# Altium PCB mini3216时钟V2.0.PcbDoc
Units mil, origin at the board's own origin, x right, y up, seen from the top; angles counter-clockwise.
Board outline 5039.37 x 2519.68 mil, 2 copper layers (Top Layer, Bottom Layer); 42 components, 61 nets, 295 pads, 185 vias.
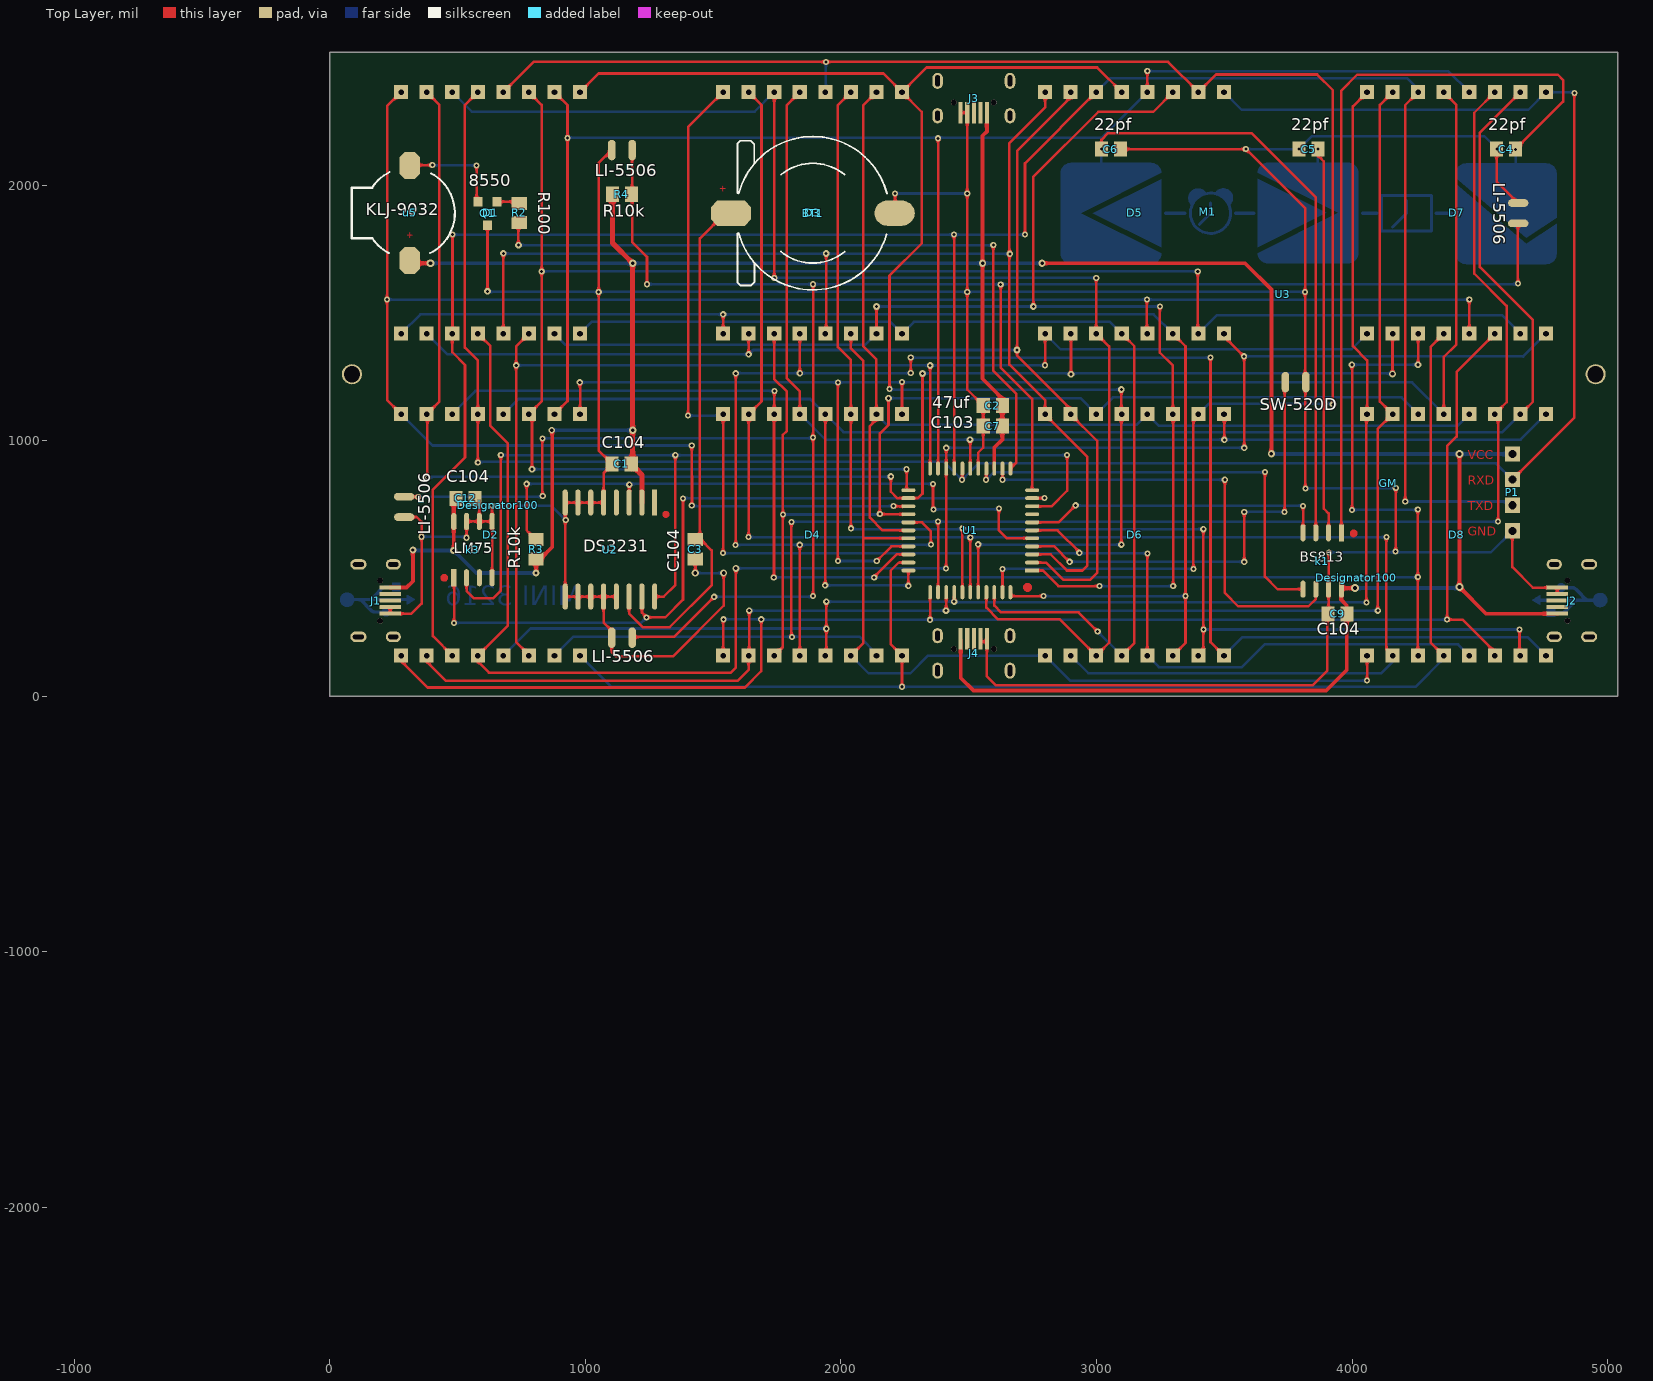
[diagram p0: Top Layer view]
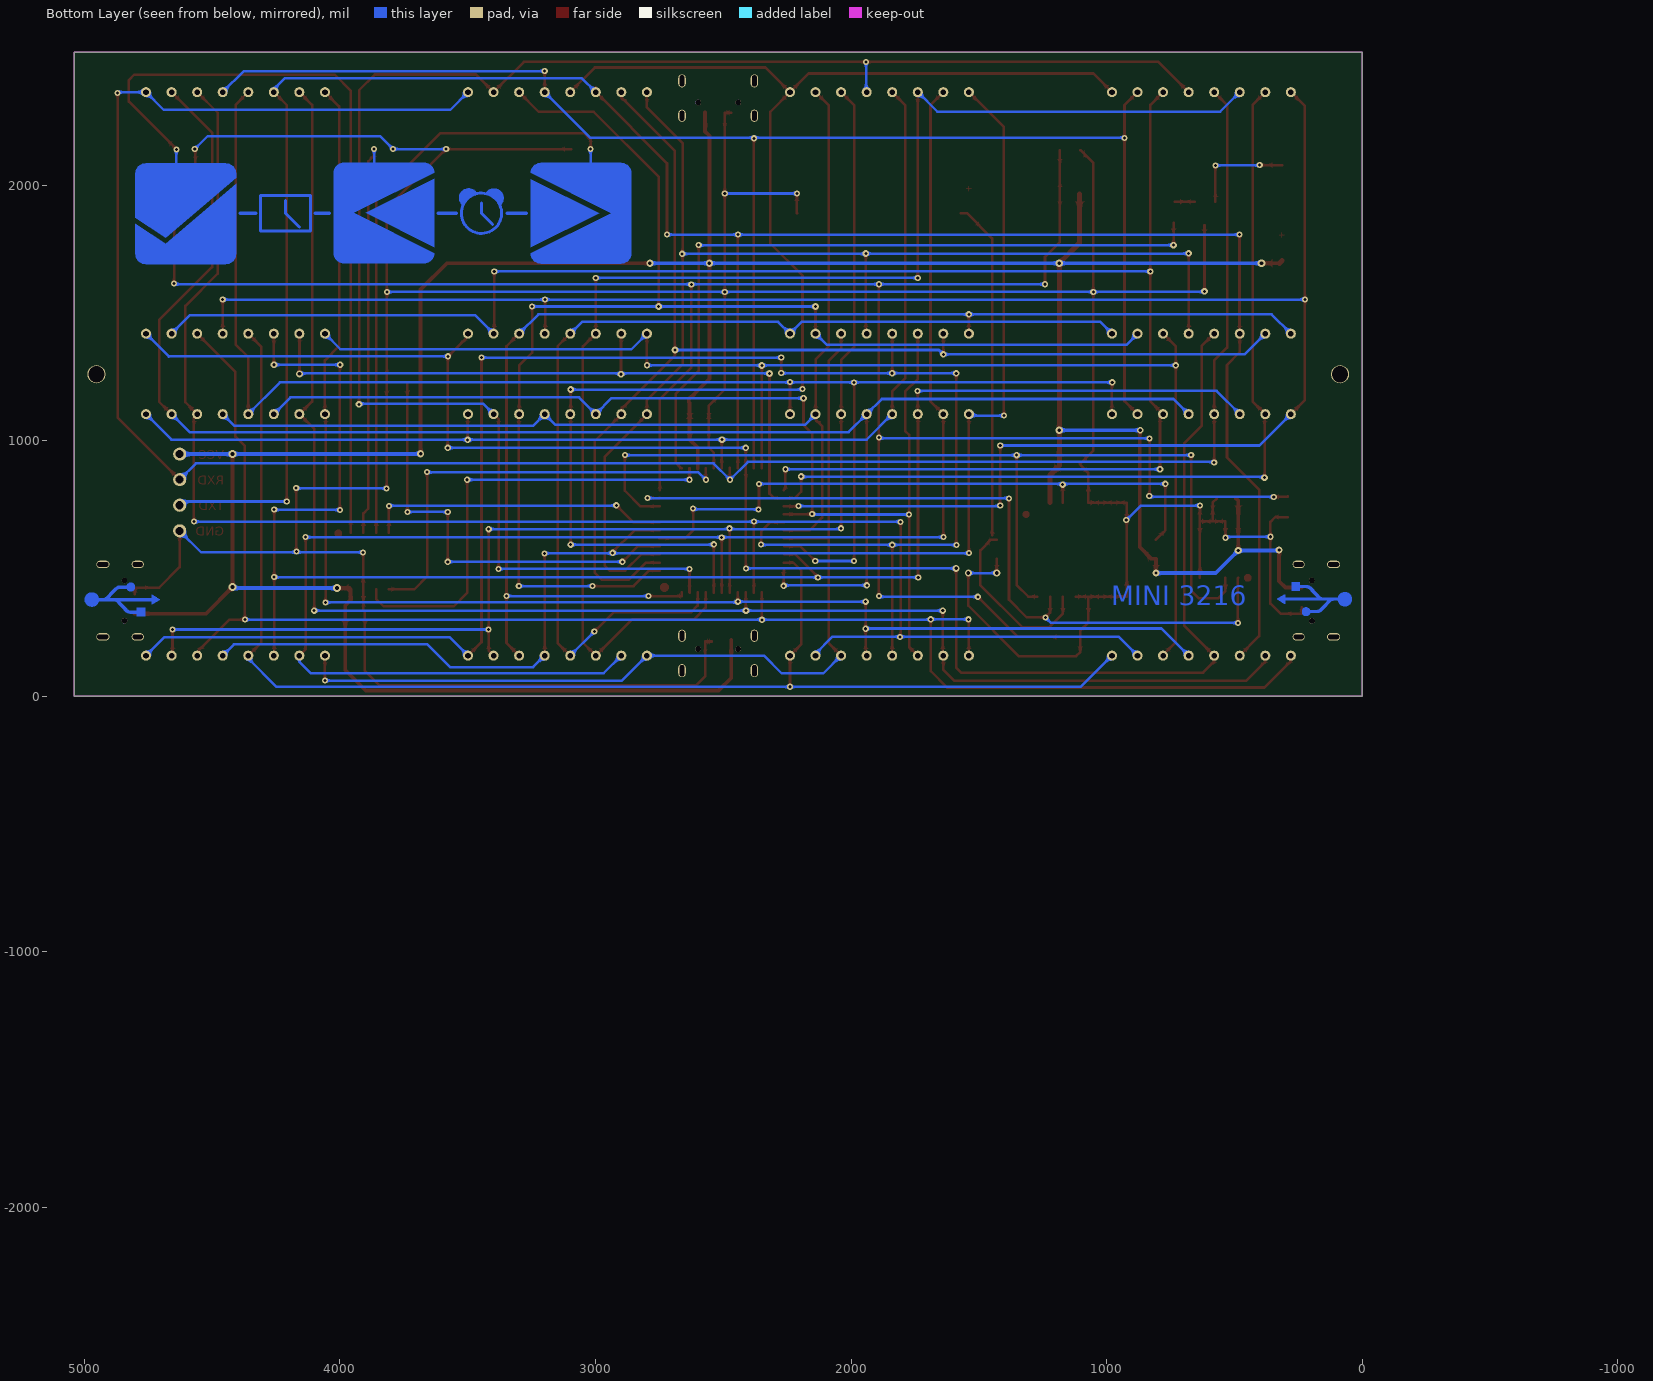
[diagram p1: Bottom Layer view, seen from below]

## Layer stack, top to bottom
Top Solder: solder mask 0.4, Solder Resist, Dk 3.5
Top Layer: signal copper 1.4
Dielectric 1: dielectric 12.6, FR-4, Dk 4.8
Bottom Layer: signal copper 1.4
Bottom Solder: solder mask 0.4, Solder Resist, Dk 3.5

## Board outline
0,0 0,2519.68 5039.37,2519.68 5039.37,0

## Design rules (kind name [scope] priority, off if disabled: settings)
Clearance Clearance_1 [InNamedPolygon('Poly1')or InNamedPolygon('Poly2')or InNamedPolygon('Poly3')or InNamedPolygon('Poly4')or InNamedPolygon('Poly5')or InNamedPolygon('Poly6')] p1: gap=30
Clearance [All] p2: gap=8
HoleToHoleClearance [All] p1: gap=8 allowstackedmicrovias=TRUE
MinimumSolderMaskSliver [All] p1: minsoldermaskwidth=8
PolygonConnect PolygonConnect_1 [InNet('GND') vs InNet('GND')] p1: connectstyle=Relief reliefconductorwidth=10 reliefentries=4 polygonreliefangle="90 Angle" airgapwidth=10
PolygonConnect [All] p2: connectstyle=Relief reliefconductorwidth=10 reliefentries=4 polygonreliefangle="90 Angle" airgapwidth=10
RoutingVias [All] p1: holewidth=12 width=26 viastyle="Through Hole" minholewidth=12 minwidth=24 maxholewidth=30 maxwidth=50
SilkToSilkClearance [All] p1: silktosilkclearance=0
SilkToSolderMaskClearance [IsPad] p1: minsilkscreentomaskgap=0 clearancetoexposedcopper=TRUE
SolderMaskExpansion [All] p1: expansion=4
Width Width_VCC [InNet('VCC')] p1: maxlimit=50 minlimit=10 preferedwidth=15
Width [All] p2: maxlimit=50 minlimit=1 preferedwidth=10
26 further rules are at their usual default settings.

## Classes and differential pairs
component class mini3216ʱ��V2.0: BT1 C1 C4 C5 C6 C7 C9 D1 D2 D3 D4 D5 D6 D7 D8 J1 J2 k1 LI-5506 P1 Q1 R2 U1 U2 U3 u5

## Components (designator, comment, footprint, x,y, rotation, side; value= is the part's Value field where it differs from the comment)
BT1 "Battery" CR1220 1890,1890 r270 top locked
C1 "Cap" C-RAD-0805 1142,909 r180 top
C2 "Cap" 0805-2 2594,1137 r180 top
C3 "Cap" C-RAD-0805 1430,575 r270 top (schematic designator C1)
C4 "Cap" C-RAD-0805 4602.52,2140.68 r0 top locked
C5 "Cap" C-RAD-0805 3829.52,2140.68 r0 top locked
C6 "Cap" C-RAD-0805 3056.52,2140.68 r180 top locked
C7 "Cap" C-RAD-0805 2594,1057 r180 top
C9 "Cap" C-RAD-0805 3943,322 r0 top
C12 "Cap" C-RAD-0805 531,774 r0 top (schematic designator C9)
D1 "点阵屏" "LED 8X8���� F3.0" 0,2519.68 r0 top locked
D2 "点阵屏" "LED 8X8���� F3.0" 0,1259.84 r0 top locked
D3 "点阵屏" "LED 8X8���� F3.0" 1259.84,2519.68 r0 top locked
D4 "点阵屏" "LED 8X8���� F3.0" 1259.84,1259.84 r0 top locked
D5 "点阵屏" "LED 8X8���� F3.0" 2519.68,2519.68 r0 top locked
D6 "点阵屏" "LED 8X8���� F3.0" 2519.68,1259.84 r0 top locked
D7 "点阵屏" "LED 8X8���� F3.0" 3779.53,2519.68 r0 top locked
D8 "点阵屏" "LED 8X8���� F3.0" 3779.53,1259.84 r0 top locked
Designator100 "Comment" 0603-2 658,747.68 r90 top
Designator100 "Comment" 0603-2 4016,463.68 r270 top
GM "" �������#1 4141,833.32 r180 top
J1 "USB_M" USB_MICRO 236.22,374.02 r270 top locked
J2 "USB_M" USB_MICRO 4803.15,374.02 r90 top locked
J3 "USB_M" USB_MICRO 2519.68,2283.46 r180 top locked (schematic designator J1)
J4 "USB_M" USB_MICRO 2519.68,224.41 r0 top (schematic designator J1)
k1 "BS814A-2触摸按键" SOP8 3883,529 r270 top
k3 "BS814A-2触摸按键" SOP8 560,573.68 r90 top (schematic designator k1)
LI-5506 "Res1" �������#2 4650,1890 r270 top (schematic designator GM)
LI-5506 "Res1" �������#2 1143,2137 r0 top locked (schematic designator GM)
LI-5506 "Res1" �������#2 291,741 r90 top (schematic designator GM)
LI-5506 "Res1" �������#2 1143,229 r180 top (schematic designator GM)
M1 "Motor" MOT 3436,1894.68 r45 top
P1 "Header 5" HDR1X5 4626.85,947.28 r270 top
Q1 "SS8550" SOT-23 617,1889 r180 top
R2 "Res1" 0805-1 741,1891 r90 top
R3 "Res1" 0805-1 807,575 r90 top (schematic designator R2)
R4 "Res1" 0805-1 1143,1964 r0 top (schematic designator R2)
SW-520D "Res1" �������#2 3779,1229 r0 top (schematic designator GM)
U1 "STC15F2K60S2_QFP44" LQFP-44 2506,649 r90 top locked
U2 "DS3231" DS3231SN 1096,573.68 r270 top locked
U3 "MOTOR" MOTOR 3728,1572.68 r45 top
u5 "Beef" BEEF 313,1891 r0 top locked

## Footprints (in the part's own frame and the unit in brackets; to place one, negate y for a bottom-side part, rotate by r counter-clockwise, add the part's x,y. Pads: shape width x height; smd on the part's side, far side on the other; paste and mask are expansions set on the pad)
0603-2 [mil] "��Ƭ��˿ӡ"
0805-1 [mm] "��Ƭ��˿ӡ"
  rect 1.3x1.5 smd: 1(-0.95,0) 2(0.95,0)
  body extent -1,-0.6 1,0.6, height 0.95
0805-2 [mm] "��Ƭ��˿ӡ"
  rect 1.3x1.5 smd: 1(-0.95,0) 2(0.95,0)
  body extent -1,-0.6 1,0.6, height 0.95
BEEF [mil] "��Ƭ������"
  oct 80x106.3 smd: 1(0,-186.18) 2(0,186.18)
  silkscreen extent -228,-157 176,159, body extent -240,-210 177,210, height 118
C-RAD-0805 [mm] "��Ƭ����"
  rect 1.3x1.5 smd: 1(-0.95,0) 2(0.95,0)
  body extent -1,-0.6 1,0.6, height 0.95
CR1220 [mm] "CR1220"
  oct 2.5x4 smd: 1(0,-8.128)
  oval 2.5x4 smd: 2(0,8.128)
  silkscreen extent -7.62,-7.5 7.62,7.36, body extent -7.47,-9.45 7.53,9.05, height 4.44
DS3231SN [mm] "SOP, 16-Leads, Body 10.5x7.6mm (max), Pitch 1.27mm, IPC Medium Density"
  rect 2.6x0.508 smd: 1(-4.675,4.445)
  oval 2.6x0.508 smd: 2(-4.675,3.175) 3(-4.675,1.905) 4(-4.675,0.635) 5(-4.675,-0.635) 6(-4.675,-1.905) 7(-4.675,-3.175) 8(-4.675,-4.445) 9(4.675,-4.445) 10(4.675,-3.175) 11(4.675,-1.905) 12(4.675,-0.635) 13(4.675,0.635) 14(4.675,1.905) 15(4.675,3.175) 16(4.675,4.445)
  body extent -5.33,-5.15 5.31,5.15, height 1.95
HDR1X5 [mm] "Connector; Header; 5 Position"
  rect 1.5x1.5 / inner rect 1.5x1.5 / far side round 1.3 hole 0.8: 1(0,0)
  rect 1.5x1.5 / inner round 1.5 / far side round 1.3 hole 0.8: 2(2.54,0) 3(5.08,0) 4(7.62,0)
"LED 8X8���� F3.0" [mm] "LED 8x8���� F3.0"
  rect 1.4x1.4 / inner rect 2x2 / far side round 1 hole 0.56: 1(7.087,-27.965) 2(9.627,-27.965) 3(12.167,-27.965) 4(14.707,-27.965) 5(17.247,-27.965) 6(19.787,-27.965) 7(22.327,-27.965) 8(24.867,-27.965) 9(24.867,-3.965) 10(22.327,-3.965) 11(19.787,-3.965) 12(17.247,-3.965) 13(14.707,-3.965) 14(12.167,-3.965) 15(9.627,-3.965) 16(7.087,-3.965)
LQFP-44 [mm]
  rect 0.38x1.4 smd: 1(-3.988,-6.15)
  oval 0.38x1.4 smd: 2(-3.2,-6.15) 3(-2.388,-6.15) 4(-1.6,-6.15) 5(-0.787,-6.15) 6(0,-6.15) 7(0.787,-6.15) 8(1.6,-6.15) 9(2.388,-6.15) 10(3.2,-6.15) 11(3.988,-6.15) 23(3.988,6.15) 24(3.2,6.15) 25(2.388,6.15) 26(1.6,6.15) 27(0.787,6.15) 28(0,6.15) 29(-0.787,6.15) 30(-1.6,6.15) 31(-2.388,6.15) 32(-3.2,6.15) 33(-3.988,6.15)
  oval 1.4x0.38 smd: 12(6.15,-3.988) 13(6.15,-3.2) 14(6.15,-2.388) 15(6.15,-1.6) 16(6.15,-0.787) 17(6.15,0) 18(6.15,0.787) 19(6.15,1.6) 20(6.15,2.388) 21(6.15,3.2) 22(6.15,3.988) 34(-6.15,3.988) 35(-6.15,3.2) 36(-6.15,2.388) 37(-6.15,1.6) 38(-6.15,0.787) 39(-6.15,0) 40(-6.15,-0.787) 41(-6.15,-1.6) 42(-6.15,-2.388) 43(-6.15,-3.2) 44(-6.15,-3.988)
  body extent -6,-6 6,6, height 1.5
MOT [mil]
MOTOR [mil]
SOP8 [mm] "SOP, 8-Leads, Body 4.90x3.90mm, Pitch 1.27mm, IPC Medium Density"
  rect 1.7x0.508 smd: 1(-2.8,1.905)
  oval 1.7x0.508 smd: 2(-2.8,0.635) 3(-2.8,-0.635) 4(-2.8,-1.905) 5(2.8,-1.905) 6(2.8,-0.635) 7(2.8,0.635) 8(2.8,1.905)
  body extent -3.02,-2.51 3.02,2.51, height 1.6
SOT-23 [mm]
  rect 0.9x0.95 smd: 1(-0.95,-1.175) 2(0.95,-1.175) 3(0,1.175)
  body extent -1.5,-1.32 1.5,1.32, height 1.08
USB_MICRO [mm] "USB����"
  oval 1.05x1.5 / inner oval 1x1.4 / far side oval 0.75x1.2 hole 0.45 slot 1 at 90 deg: 0(-3.6,0.31) 0(3.6,0.31)
  oval 1.05x1.6 / inner oval 1x1.5 / far side oval 0.75x1.3 hole 0.45 slot 1.1 at 90 deg: 0(-3.6,-3.16) 0(3.6,-3.16)
  round 0.56 hole 0.56: 0(-2,-1.01)
  round 0.55 hole 0.56: 0(2,-1.01)
  rect 0.4x2.15 smd: 1(-1.3,0) 2(-0.65,0) 3(0,0) 4(0.65,0) 5(1.3,0)
  body extent -3.99,-5.32 3.99,0.11, height 2.69
�������#1 [mil]
�������#2 [mil]
  oval 30x80 smd: 1(-40,0) 2(40,0)

## Part data
BT1: "���ݵ��"
C1 C2 C3 C4 C5 C6 C7 C9 C12: "�޼��Ե���"
D1 D2 D3 D4 D5 D6 D7 D8: library part LED_������8x8
GM: library part Res1, "��Ƭ����"
J1 J2 J3 J4: "MicroUSB�ӿ�"
k1 k3: library part BS814A-2��������
LI-5506 LI-5506 LI-5506 LI-5506 R2 R3 R4 SW-520D: "��Ƭ����"
M1: "Motor, General Kind"
P1: "Header, 5-Pin"
Q1: "PNP��Ƭ������"
U3: "�ֻ��𶯵��"

## Free pads (board coordinates)
  round 78.74 / inner round 70.87 / far side round 70.87 hole 62.99: 1(86.61,1259.84) 1(4952.76,1259.84)

## Via types
v1: diameter 24, hole 12, Top Layer to Bottom Layer, tented both sides, 120 vias
v2: diameter 26, hole 12, Top Layer to Bottom Layer, tented both sides, 47 vias
v3: diameter 28, hole 14, Top Layer to Bottom Layer, tented both sides, 7 vias
v4: diameter 30, hole 14, Top Layer to Bottom Layer, tented both sides, 3 vias
v5: diameter 32, hole 16, Top Layer to Bottom Layer, tented both sides, 3 vias
v6: diameter 28, hole 13, Top Layer to Bottom Layer, tented both sides, 3 vias
v7: diameter 24.02, hole 12, Top Layer to Bottom Layer, tented both sides, 1 vias
v8: diameter 26, hole 13, Top Layer to Bottom Layer, tented both sides, 1 vias

## Nets (pads, with @x,y where several pads share a name; then routed paths per layer and width w, separated by ;. In a path a pad name is that pad's centre, name@x,y a point inside that pad or via, vN(x,y) a via of type N, cw(c..) or ccw(c..) an arc to the next point about the centre after c; other vN are vias at no path point)
ADC: LI-5506.1@1183,229 LI-5506.2@291,781 LI-5506.2@1183,2137 LI-5506.2@4650,1850 R4.2 U1.11 | length 8872.8
  Top Layer w10: LI-5506.2@291,781 292,782 294,780 v1(346,780) ; v1(832,1009) 832,784.63 831.68,784.32 v1(833,783) ; LI-5506.2@1183,2137 1183,1777 1241,1719 v1(1241,1612) ; LI-5506.1@1185,232 1347,232 v1(1504,389) ; v1(1890,1012) 1890,1005 1891,1004 v1(1891,392) ; v1@1891,1012 v1(1891,1612) ; v1(2625,1611) 2625,1286 2748.13,1162.87 U1.11 ; v1(4649,1615) 4649,1849 LI-5506.2@4650,1850
  Bottom Layer w10: v1(346,780) 830,780 v1(833,783) ; v1(832,1009) 1887,1009 v1(1890,1012) ; v1(1241,1612) 4646,1612 v1(4649,1615) ; v1(1504,389) 1888,389 v1(1891,392)
BEEF: R2.1 U1.12 | length 2865.7
  Top Layer w10: v2(738,1765) R2.1@738,1852 ; v1(2596,1765) 2596,1273 2685,1184 2685,913.13 U1.12
  Bottom Layer w10: v2(738,1765) 2199.64,1765 2200.64,1764 2595,1764 v1(2596,1765)
CLOCK: 
DATA: 
GND: BT1.2 C1.2 C2.2 C3.2 C4.1 C5.1 C6.1 C7.2 C9.1 C12.2 J1.4 J1.5 J2.4 J2.5 J3.4 J3.5 J4.4 J4.5 k1.7 k3.4 k3.5 k3.6 k3.7 LI-5506.1@291,701 LI-5506.1@1103,2137 LI-5506.1@4650,1930 LI-5506.2@1103,229 P1.4 Q1.3 SW-520D.2 U1.16 U2.5 U2.6 U2.7 U2.8 U2.9 U2.10 U2.11 U2.12 U2.13 | length 16985.3
  Top Layer w10: J1.4 J1.5 319,322.83 359,362.83 v1(359,624) 359,682.04 340.04,701 LI-5506.1@291,701 ; v1(535,620) k3.7 k3.6 ; C12.2 585,757.4 k3.6 ; v2(617,1584) Q1.3 ; k3.4 k3.5 ; v1(635,746) k3.5 ; C1.2@1102,904 1071,873 U2.5 U2.8 U2.9 U2.12 ; LI-5506.1@1103,2137 1052,2086 1052,961.6 C1.2 ; U2.13 U2.12 ; v3(1430,482) C3.2 ; v3(1541,482) 1541,354 1344,157 1119,157 1103,173 1103,229 1103,257 1071,289 U2.12 ; BT1.2 2211,1889 2212,1890 v1(2212,1967) ; J3.5 J3.4 2494.09,1199.5 C2.2 C7.2 2556.6,972.28 2537,952.68 U1.16 ; J4.4@2545.28,214 2570.87,214 2570.87,77.63 2606,42.5 3845.5,42.5 3902,99 3902,329.4 3908,335.4 k1.7 3909,419.76 v1(3909,563) ; C6.1 v1(3584,2140.68) 3817,1907.68 3816,1906.68 v1(3816,1581) 3816,1232 SW-520D.2 3817,1227 v1(3817,813) ; v1@4171,566 v1(4171,815) ; C4.1 4565.12,2014.88 LI-5506.1@4650,1930 ; P1.4@4628,646.13 P1.4 4626.85,505.15 4706.8,425.2 J2.5 J2.4 ; k3.6 k3.5
  Bottom Layer w10: v1(359,624) 531,624 v1(535,620) ; v2@617,1582 v1(1052,1582) 2503,1582 v1@3816,1582 ; v1(635,746) 866,746 v1(923,689) ; v3(1430,482) v3(1541,482) ; v1(2212,1967) v1(2494.09,1967) ; v1(3584,2140.68) v1(3792.12,2140.68) 3843.12,2191.68 4517,2191.68 v1(4568,2140.68) ; v1(3817,813) 4169,813 v1(4171,815) ; v1(3909,563) 4542.57,563 P1.4
  other v1: 4170,566 2494.09,1581
H1: D1.9 D3.9 D5.13 D6.13 U1.40 | length 5776.9
  Top Layer w10: D1.9 1052.12,2436.68 2165.72,2436.68 D3.9 ; v1(2190,1202) 2190,1646 2316,1772 2316,2286.41 D3.9 ; U1.40 v2(2537,594) ; U1.40@2537.4,405.51 U1.40@2537.4,406.87 ; v2(3097,593) 3097,1099.41 3096,1100.41 3099,1103.41 3097,1105.41 v2(3097,1200) ; D5.13 3002.25,2460 2335.28,2460 D3.9
  Bottom Layer w10: v1@2190,1200 2501,1200 ; 2503,1200 v2(3097,1200) ; v2(2537,594) 2538,593 v2(3097,593) v2@3104.68,593
H2: D1.14 D3.14 D5.3 D6.3 U1.41 | length 5409.4
  Top Layer w10: D3.14 1739,2363.41 v1(1739,1637) ; U1.41 2569,347.2 2568.9,347.1 2615,301 2856.53,301 D6.3 3049,209.16 3049,1368.37 D5.3 v1@2998.68,1637
  Bottom Layer w10: D1.14@479,2375.68 D1.14 555.57,2287 1662.28,2287 D3.14 ; v1(1739,1637) v1(2999,1637)
H3: D1.8 D3.8 D5.4 D6.4 U1.42 | length 4140.2
  Top Layer w10: U1.42 2600,355 2627,328 2929.53,328 v1(3004.53,253) ; D6.4@3098.68,169.32 D6.4 3148,208.16 3148,1369.37 D5.4
  Bottom Layer w10: D1.8 1026.32,1466 2191.53,1466 D3.8 2285.16,1465 3052.37,1465 D5.4 ; v1(3004.53,253) D6.4
H4: D1.12 D3.12 D5.10 D6.10 U1.43 | length 6746.3
  Top Layer w10: D1.12 797.43,2482 v1(1941,2482) 3280.25,2482 D5.10 3467.8,2432.68 3863.32,2432.68 3925,2371 v2(3925,1142) ; U1.43@2631.89,405.51 U1.43@2632.63,406.25 ; U1.43 v1(2632,498) ; v1(3380,498) 3379,498 3379,1084.04 3394,1099.04 D6.10
  Bottom Layer w10: D3.12 1941,2365.72 v1(1941,2482) ; v1(2632,498) v1(3380,498) ; D6.10 3439.96,1145 3922,1145 v2(3925,1142)
H5: D1.1 D3.1 D5.6 D6.6 U1.44 | length 5160.6
  Top Layer w10: v2(1539,1494) 1539,1418.84 D3.1@1541,1420.84 ; U1.44 2663,392 v1(2793,392) ; D6.6 3348,208.16 3348,369 3348,1369.37 D5.6
  Bottom Layer w10: D1.1 354.32,1494 v2(1539,1494) 3223.37,1494 D5.6 ; v1(2793,392) v1(3348,392)
H6: D1.7 D3.7 D5.11 D6.11 U1.1 | length 5398.4
  Top Layer w10: v2(2139,1525) 2139,1418.84 D3.7 D3.7@2142,1415.53 ; U1.1 2790,492 2851,431 v1(3012,431) ; v2(2753,1525) 2753,2033 3007,2287 3222.12,2287 D5.11 ; v1(3248,1525) 3248,1344 3298.68,1293.32 D6.11 3300,1102.41 v1@3300,432
  Bottom Layer w10: D1.7 923,1374.68 2094.84,1374.68 D3.7 ; v2(2139,1525) v1(3248,1525) ; v1(3012,431) v1(3300,431)
H7: D1.2 D3.2 D5.15 D6.15 U1.2 | length 4822.4
  Top Layer w10: D3.2 1638.84,1337.84 v2(1639,1337.68) ; U1.2 2802,523 2870,455 2974,455 3002,483 3002,999.68 2898.68,1103 2898.68,1123.32 2689,1333 v2(2689,1354.68) 2689,2133 2898.68,2342.68 D5.15
  Bottom Layer w10: D1.2 460,1337.68 v2(1639,1337.68) 1656,1354.68 v2(2689,1354.68)
H8: D1.5 D3.5 D5.16 D6.16 U1.3 | length 4897.6
  Top Layer w10: D1.5 v2(679,1733) ; D3.5 1942,1421.84 v2(1942,1732) ; U1.3 2820.76,555 2820.88,555.12 2884,492 2944.89,492 2963,510.11 2963,937.68 2798.68,1102 2798.68,1158.32 2659,1298 2659,2164 2798.68,2303.68 D5.16
  Bottom Layer w10: v2(679,1733) 680,1732 v2(1942,1732) 1943,1731 v2(2661,1731)
H9: D2.9 D4.9 D7.13 D8.13 U1.30 | length 5979.8
  Top Layer w10: v2(978,1228) 979,1227 D2.9 ; v1(1988,529) v1(1988,1228) ; v1(2140,529) 2197.61,586.61 U1.30@2261.81,586.61 ; D4.9 v1@2238.84,1228.84 ; D8.13 4358.53,1327.53 4408,1377 4408,2314.09 D7.13
  Bottom Layer w10: v2(978,1228) v1(1988,1228) ; v1(1988,529) v1(2140,529) ; v1@1988.32,1227.68 v1(1988,1228) ; D8.13 4234.25,1228 v1(1988,1228)
  other v1: 2239,1229
H10: D2.14 D4.14 D7.3 D8.3 U1.31 | length 6494.3
  Top Layer w10: v1(1737,465) 1738,466 1738,1102.88 D4.14 1738.84,1193.84 v1(1739.53,1194.53) ; v7(2130,465) 2130,467 2218.12,555.12 U1.31@2261.81,555.12 ; v2@3999,1290 4000,1289 v1(4000,729) ; v1(4257,730) v1(4257,467) 4257,162.37 4256,161.37 D8.3 ; v2@4258.53,1297 D7.3
  Bottom Layer w10: D2.14 569.8,1194.53 v1(1739.53,1194.53) ; v1(1737,465) 1738.68,466.68 1740.35,465 v7(2130,465) 4255,465 v1(4257,467) ; D4.14 D4.14@1739.53,1104.41 ; v2(3999,1297) v2(4258,1297) ; v1(4000,729) 4256,729 v1(4257,730)
H11: D2.8 D4.8 D7.4 D8.4 U1.32 | length 5346
  Top Layer w10: v1(2239,37) 2238.84,37.16 D4.8 2194,203.68 2194,491 2226,523 U1.32 ; D8.4 4307,210.37 4307,1367.16 D7.4
  Bottom Layer w10: D2.8 1101.31,36.53 4247.84,36.53 4358.53,147.21 D8.4
H12: D2.12 D4.12 D7.10 D8.10 U1.33 | length 6574.8
  Top Layer w10: v2(1938,434) 1938.84,434.84 D4.12 ; U1.33@2261.81,492 U1.33@2261.81,492.13 ; v2(2263.87,432) U1.33 ; D8.10 4707,1152.2 4707,1472 4500,1679 4500,2205.04 D7.10
  Bottom Layer w10: D2.12 738.28,1163 1879.57,1163 D4.12 ; v2(1938,434) 2261.87,434 v2(2263.87,432) ; D4.12@1939.28,1103.28 2009.57,1033 4587.8,1033 D8.10
H13: D2.1 D4.1 D7.6 D8.6 U1.34 | length 6248.1
  Top Layer w10: D2.1 279,138 383,34 1624,34 1688,98 v1(1688,301) ; D4.1 1538.84,298.84 v1(1541,301) ; v1(2349,299) 2348.43,299.57 2349,300.15 U1.34 ; D8.6 4558.53,173.47 4432,300 v1(4372,300) 4372,979 4409,1016 4409,1269.16 D7.6